# KiCad board LightRail_LPO_1.6T.kicad_pcb (continued)
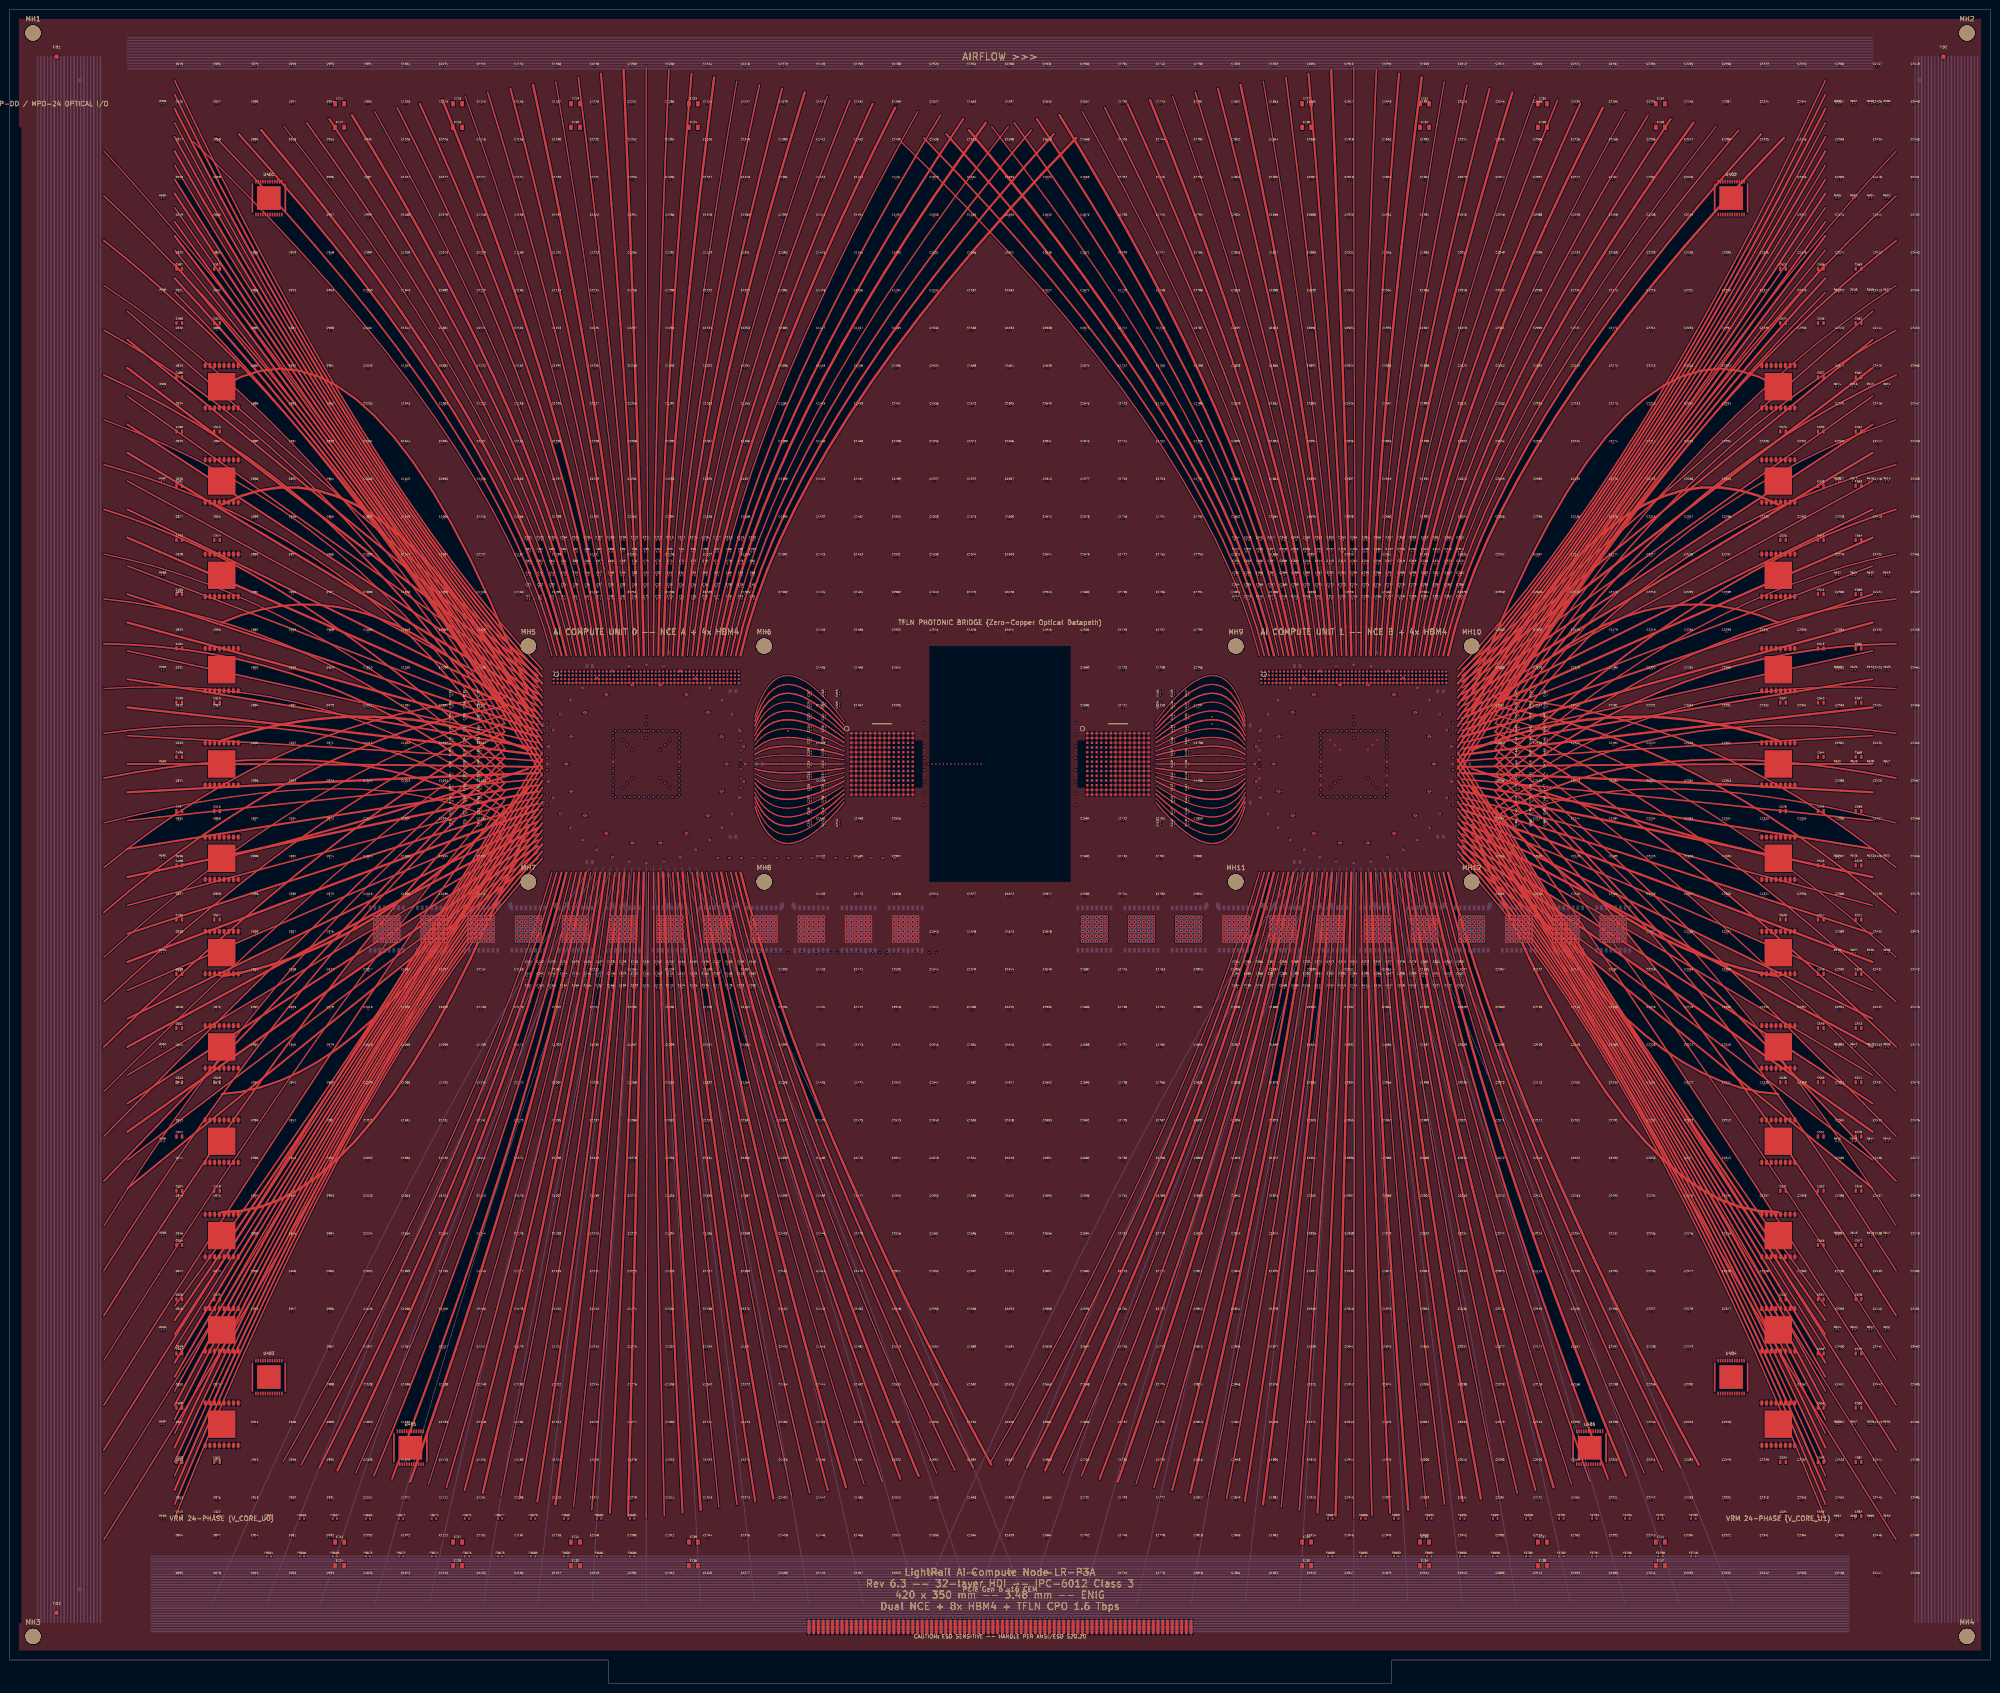
[diagram p0: board, top side]
## Routing (per net, layer and track width the routed paths; a pad name or vN(x,y) marks a point on that pad's centre or on a via; arc(x,y) is an arc through that point) (continued)
  Top w0.46: 308,196.94 312.09,197.45 316.36,197.98 320.81,198.53 325.44,199.09 330.25,199.66 335.23,200.26 340.4,200.86 345.75,201.48 351.28,202.12 356.98,202.77 362.87,203.44 368.94,204.12 375.18,204.82 381.61,205.53 388.21,206.26 395,207 ; 395,153 388.21,155.59 381.61,158.1 375.18,160.53 368.94,162.9 362.87,165.18 356.98,167.39 351.28,169.52 345.75,171.58 340.4,173.56 335.23,175.47 330.25,177.3 325.44,179.06 320.81,180.74 316.36,182.34 312.09,183.87 308,185.32 ; 112,193.06 107.91,192.92 103.64,192.77 99.19,192.6 94.56,192.41 89.75,192.21 84.77,191.99 79.6,191.76 74.25,191.52 68.72,191.25 63.02,190.98 57.13,190.69 51.06,190.38 44.82,190.06 38.39,189.72 31.79,189.37 25,189 ; 395,261 388.21,256.93 381.61,252.96 375.18,249.1 368.94,245.35 362.87,241.7 356.98,238.16 351.28,234.72 345.75,231.39 340.4,228.16 335.23,225.04 330.25,222.03 325.44,219.12 320.81,216.32 316.36,213.62 312.09,211.03 308,208.55 ; 308,204.68 312.09,206.51 316.36,208.41 320.81,210.39 325.44,212.44 330.25,214.57 335.23,216.78 340.4,219.06 345.75,221.42 351.28,223.85 356.98,226.36 362.87,228.94 368.94,231.61 375.18,234.34 381.61,237.15 388.21,240.04 395,243 ; 395,171 388.21,172.48 381.61,173.91 375.18,175.3 368.94,176.64 362.87,177.93 356.98,179.18 351.28,180.39 345.75,181.55 340.4,182.66 335.23,183.73 330.25,184.76 325.44,185.73 320.81,186.67 316.36,187.55 312.09,188.4 308,189.19 ; 25,117 31.79,121.81 38.39,126.48 44.82,131.01 51.06,135.41 57.13,139.67 63.02,143.8 68.72,147.79 74.25,151.65 79.6,155.36 84.77,158.95 89.75,162.39 94.56,165.7 99.19,168.88 103.64,171.91 107.91,174.81 112,177.58 ; 25,225 31.79,223.15 38.39,221.34 44.82,219.58 51.06,217.86 57.13,216.19 63.02,214.57 68.72,212.99 74.25,211.45 79.6,209.96 84.77,208.52 89.75,207.12 94.56,205.77 99.19,204.46 103.64,203.2 107.91,201.98 112,200.81 ; 308,181.45 312.09,179.34 316.36,177.13 320.81,174.81 325.44,172.38 330.25,169.85 335.23,167.21 340.4,164.46 345.75,161.61 351.28,158.66 356.98,155.59 362.87,152.43 368.94,149.15 375.18,145.77 381.61,142.29 388.21,138.7 395,135 ; 395,189 388.21,189.37 381.61,189.72 375.18,190.06 368.94,190.38 362.87,190.69 356.98,190.98 351.28,191.25 345.75,191.52 340.4,191.76 335.23,191.99 330.25,192.21 325.44,192.41 320.81,192.6 316.36,192.77 312.09,192.92 308,193.06 ; 112,189.19 107.91,188.4 103.64,187.55 99.19,186.67 94.56,185.73 89.75,184.76 84.77,183.73 79.6,182.66 74.25,181.55 68.72,180.39 63.02,179.18 57.13,177.93 51.06,176.64 44.82,175.3 38.39,173.91 31.79,172.48 25,171 ; 112,208.55 107.91,211.03 103.64,213.62 99.19,216.32 94.56,219.12 89.75,222.03 84.77,225.04 79.6,228.16 74.25,231.39 68.72,234.72 63.02,238.16 57.13,241.7 51.06,245.35 44.82,249.1 38.39,252.96 31.79,256.93 25,261 ; 25,279 31.79,273.82 38.39,268.77 44.82,263.86 51.06,259.09 57.13,254.45 63.02,249.95 68.72,245.58 74.25,241.36 79.6,237.26 84.77,233.3 89.75,229.48 94.56,225.8 99.19,222.25 103.64,218.84 107.91,215.56 112,212.42 ; 308,200.81 312.09,201.98 316.36,203.2 320.81,204.46 325.44,205.77 330.25,207.12 335.23,208.52 340.4,209.96 345.75,211.45 351.28,212.99 356.98,214.57 362.87,216.19 368.94,217.86 375.18,219.58 381.61,221.34 388.21,223.15 395,225 ; 25,207 31.79,206.26 38.39,205.53 44.82,204.82 51.06,204.12 57.13,203.44 63.02,202.77 68.72,202.12 74.25,201.48 79.6,200.86 84.77,200.26 89.75,199.66 94.56,199.09 99.19,198.53 103.64,197.98 107.91,197.45 112,196.94 ; 25,135 31.79,138.7 38.39,142.29 44.82,145.77 51.06,149.15 57.13,152.43 63.02,155.59 68.72,158.66 74.25,161.61 79.6,164.46 84.77,167.21 89.75,169.85 94.56,172.38 99.19,174.81 103.64,177.13 107.91,179.34 112,181.45 ; 395,117 388.21,121.81 381.61,126.48 375.18,131.01 368.94,135.41 362.87,139.67 356.98,143.8 351.28,147.79 345.75,151.65 340.4,155.36 335.23,158.95 330.25,162.39 325.44,165.7 320.81,168.88 316.36,171.91 312.09,174.81 308,177.58 ; 308,212.42 312.09,215.56 316.36,218.84 320.81,222.25 325.44,225.8 330.25,229.48 335.23,233.3 340.4,237.26 345.75,241.36 351.28,245.58 356.98,249.95 362.87,254.45 368.94,259.09 375.18,263.86 381.61,268.77 388.21,273.82 395,279 ; 25,153 31.79,155.59 38.39,158.1 44.82,160.53 51.06,162.9 57.13,165.18 63.02,167.39 68.72,169.52 74.25,171.58 79.6,173.56 84.77,175.47 89.75,177.3 94.56,179.06 99.19,180.74 103.64,182.34 107.91,183.87 112,185.32 ; 25,243 31.79,240.04 38.39,237.15 44.82,234.34 51.06,231.61 57.13,228.94 63.02,226.36 68.72,223.85 74.25,221.42 79.6,219.06 84.77,216.78 89.75,214.57 94.56,212.44 99.19,210.39 103.64,208.41 107.91,206.51 112,204.68
  Top w0.49: 265.75,38 267.04,48.13 268.28,58.03 269.46,67.69 270.6,77.12 271.69,86.32 272.73,95.28 273.72,104.01 274.66,112.5 275.55,120.76 276.39,128.78 277.18,136.57 277.92,144.12 278.61,151.44 279.25,158.53 279.84,165.38 280.38,172 ; 222.6,332.6 227.67,324.23 232.47,316.02 237.02,307.97 241.3,300.09 245.32,292.36 249.07,284.8 252.56,277.39 255.79,270.15 258.76,263.07 261.47,256.15 263.91,249.39 266.09,242.79 268,236.35 269.66,230.07 271.05,223.96 272.18,218 ; 192.75,44 188.9,53.41 185.21,62.62 181.68,71.66 178.32,80.5 175.13,89.16 172.1,97.62 169.24,105.91 166.54,114 164,121.91 161.64,129.62 159.43,137.16 157.4,144.5 155.52,151.66 153.82,158.62 152.27,165.41 150.9,172 ; 146.55,36.8 145.78,47.08 145.05,57.11 144.35,66.9 143.69,76.45 143.07,85.75 142.48,94.81 141.93,103.63 141.41,112.2 140.93,120.53 140.49,128.61 140.08,136.45 139.71,144.05 139.38,151.4 139.08,158.51 138.81,165.38 138.59,172 ; 357,331 351.16,322.82 345.62,314.8 340.4,306.92 335.49,299.19 330.9,291.61 326.61,284.17 322.64,276.89 318.97,269.75 315.62,262.76 312.58,255.92 309.86,249.23 307.44,242.69 305.34,236.29 303.55,230.05 302.07,223.95 300.9,218 ; 168.6,337.4 165.87,328.45 163.29,319.7 160.86,311.14 158.58,302.79 156.44,294.63 154.46,286.67 152.62,278.91 150.92,271.35 149.38,263.99 147.98,256.82 146.73,249.86 145.63,243.09 144.67,236.52 143.86,230.15 143.21,223.97 142.69,218 ; 284.49,218 284.34,223.99 284.18,230.22 284,236.69 283.81,243.39 283.6,250.32 283.38,257.5 283.13,264.9 282.87,272.55 282.6,280.43 282.3,288.55 281.99,296.9 281.67,305.49 281.33,314.31 280.97,323.37 280.59,332.67 280.2,342.2 ; 130.38,172 129.84,165.38 129.25,158.53 128.61,151.44 127.92,144.12 127.18,136.57 126.39,128.78 125.55,120.76 124.66,112.5 123.72,104.01 122.73,95.28 121.69,86.32 120.6,77.12 119.46,67.69 118.28,58.03 117.04,48.13 115.75,38 ; 327.35,41.6 324.52,51.3 321.82,60.79 319.24,70.07 316.78,79.15 314.44,88.02 312.23,96.69 310.13,105.15 308.16,113.4 306.31,121.45 304.59,129.29 302.98,136.92 301.5,144.35 300.14,151.57 298.9,158.59 297.79,165.4 296.8,172 ; 250.35,40.4 252.67,50.24 254.89,59.87 257.02,69.28 259.06,78.48 261,87.45 262.86,96.22 264.62,104.77 266.28,113.1 267.86,121.22 269.34,129.12 270.73,136.81 272.02,144.28 273.23,151.53 274.34,158.57 275.36,165.39 276.28,172 ; 126.28,218 125.48,223.97 124.5,230.12 123.34,236.46 122,242.99 120.47,249.7 118.77,256.6 116.89,263.68 114.82,270.95 112.58,278.4 110.15,286.05 107.54,293.87 104.75,301.89 101.79,310.09 98.64,318.47 95.31,327.04 91.8,335.8 ; 126.28,172 125.36,165.39 124.34,158.57 123.23,151.53 122.02,144.28 120.73,136.81 119.34,129.12 117.86,121.22 116.28,113.1 114.62,104.77 112.86,96.22 111,87.45 109.06,78.48 107.02,69.28 104.89,59.87 102.67,50.24 100.35,40.4 ; 292.69,172 293.3,165.39 293.99,158.55 294.76,151.49 295.61,144.2 296.53,136.69 297.54,128.95 298.62,120.99 299.79,112.8 301.03,104.39 302.35,95.75 303.75,86.89 305.23,77.8 306.79,68.49 308.43,58.95 310.15,49.19 311.95,39.2 ; 146.79,172 147.79,165.4 148.9,158.59 150.14,151.57 151.5,144.35 152.98,136.92 154.59,129.29 156.31,121.45 158.16,113.4 160.13,105.15 162.22,96.69 164.44,88.02 166.78,79.15 169.24,70.07 171.82,60.79 174.52,51.3 177.35,41.6 ; 134.49,218 134.34,223.99 134.18,230.22 134,236.69 133.81,243.39 133.6,250.32 133.38,257.5 133.13,264.9 132.87,272.55 132.6,280.43 132.3,288.55 131.99,296.9 131.67,305.49 131.33,314.31 130.97,323.37 130.59,332.67 130.2,342.2 ; 118.08,172 116.38,165.41 114.51,158.64 112.46,151.7 110.23,144.57 107.83,137.27 105.24,129.79 102.47,122.14 99.53,114.3 96.41,106.29 93.11,98.09 89.63,89.72 85.97,81.18 82.13,72.45 78.12,63.54 73.92,54.46 69.55,45.2 ; 318.6,337.4 315.87,328.45 313.3,319.7 310.86,311.14 308.58,302.79 306.44,294.63 304.46,286.67 302.62,278.91 300.92,271.35 299.38,263.99 297.98,256.82 296.73,249.86 295.63,243.09 294.67,236.52 293.86,230.15 293.2,223.97 292.69,218 ; 261,339 262.95,329.86 264.8,320.92 266.56,312.2 268.21,303.69 269.77,295.39 271.23,287.3 272.58,279.42 273.85,271.75 275.01,264.29 276.07,257.05 277.04,250.01 277.9,243.19 278.67,236.57 279.34,230.17 279.91,223.98 280.38,218 ; 226.2,327.8 218.8,320.01 211.79,312.35 205.17,304.81 198.95,297.39 193.12,290.09 187.69,282.92 182.65,275.87 178,268.95 173.75,262.15 169.89,255.47 166.42,248.92 163.35,242.49 160.67,236.18 158.39,230 156.5,223.94 155,218 ; 161.95,39.2 160.15,49.19 158.43,58.95 156.79,68.49 155.23,77.8 153.75,86.89 152.35,95.75 151.03,104.39 149.79,112.8 148.62,120.99 147.54,128.95 146.53,136.69 145.6,144.2 144.76,151.49 143.99,158.55 143.3,165.39 142.69,172 ; 296.55,36.8 295.78,47.08 295.05,57.11 294.35,66.9 293.69,76.45 293.07,85.75 292.48,94.81 291.93,103.63 291.41,112.2 290.93,120.53 290.49,128.61 290.08,136.45 289.71,144.05 289.38,151.4 289.08,158.51 288.81,165.38 288.59,172 ; 300.9,172 302.27,165.41 303.82,158.62 305.52,151.66 307.39,144.5 309.43,137.16 311.64,129.62 314,121.91 316.54,114 319.24,105.91 322.1,97.62 325.13,89.16 328.32,80.5 331.68,71.66 335.2,62.62 338.89,53.41 342.75,44 ; 149.4,340.6 148.23,331.26 147.13,322.15 146.09,313.25 145.12,304.59 144.22,296.14 143.38,287.92 142.61,279.92 141.9,272.15 141.25,264.6 140.68,257.27 140.16,250.17 139.72,243.29 139.34,236.63 139.02,230.2 138.77,223.99 138.59,218 ; 187.8,334.2 183.51,325.64 179.46,317.25 175.63,309.03 172.04,300.99 168.67,293.12 165.53,285.42 162.63,277.9 159.95,270.55 157.5,263.37 155.28,256.37 153.29,249.54 151.53,242.89 150,236.41 148.71,230.1 147.63,223.96 146.79,218 ; 203.4,329.4 210.03,321.42 216.31,313.57 222.25,305.86 227.84,298.29 233.09,290.85 238,283.55 242.56,276.38 246.77,269.35 250.64,262.45 254.16,255.7 257.35,249.07 260.18,242.59 262.67,236.24 264.82,230.02 266.62,223.94 268.08,218 ; 122.18,172 120.87,165.4 119.43,158.61 117.84,151.61 116.13,144.43 114.28,137.04 112.29,129.46 110.17,121.68 107.91,113.7 105.51,105.53 102.98,97.16 100.32,88.59 97.51,79.82 94.58,70.86 91.5,61.71 88.3,52.35 84.95,42.8 ; 281.15,35.6 281.41,46.02 281.66,56.19 281.91,66.11 282.15,75.77 282.38,85.19 282.6,94.34 282.82,103.25 283.03,111.9 283.24,120.3 283.44,128.44 283.63,136.34 283.81,143.97 283.99,151.36 284.16,158.49 284.33,165.37 284.49,172 ; 122.18,218 121.05,223.96 119.66,230.07 118,236.35 116.09,242.79 113.91,249.39 111.47,256.15 108.76,263.07 105.8,270.15 102.56,277.39 99.07,284.8 95.32,292.36 91.3,300.09 87.02,307.97 82.47,316.02 77.67,324.23 72.6,332.6 ; 241.8,335.8 245.31,327.04 248.64,318.47 251.79,310.09 254.75,301.89 257.54,293.87 260.15,286.05 262.57,278.4 264.82,270.95 266.88,263.68 268.77,256.6 270.47,249.7 272,242.99 273.34,236.46 274.5,230.12 275.48,223.97 276.28,218 ; 299.4,340.6 298.23,331.26 297.13,322.15 296.1,313.25 295.12,304.59 294.22,296.14 293.38,287.92 292.61,279.92 291.9,272.15 291.25,264.6 290.68,257.27 290.17,250.17 289.72,243.29 289.34,236.63 289.02,230.2 288.77,223.99 288.59,218 ; 268.08,172 266.38,165.41 264.51,158.64 262.46,151.7 260.23,144.57 257.83,137.27 255.24,129.79 252.47,122.14 249.53,114.3 246.41,106.29 243.11,98.09 239.63,89.72 235.97,81.18 232.13,72.45 228.12,63.54 223.92,54.46 219.55,45.2 ; 272.18,172 270.87,165.4 269.43,158.61 267.85,151.61 266.13,144.43 264.28,137.04 262.29,129.46 260.17,121.68 257.91,113.7 255.51,105.53 252.98,97.16 250.32,88.59 247.51,79.82 244.58,70.86 241.5,61.71 238.29,52.35 234.95,42.8 ; 337.8,334.2 333.51,325.64 329.46,317.25 325.63,309.03 322.04,300.99 318.67,293.12 315.53,285.42 312.63,277.9 309.95,270.55 307.5,263.37 305.28,256.37 303.29,249.54 301.54,242.89 300,236.41 298.7,230.1 297.63,223.96 296.8,218 ; 53.4,329.4 60.03,321.42 66.31,313.57 72.25,305.86 77.84,298.29 83.09,290.85 88,283.55 92.56,276.38 96.77,269.35 100.64,262.45 104.16,255.7 107.34,249.07 110.18,242.59 112.67,236.24 114.82,230.02 116.62,223.94 118.08,218 ; 131.15,35.6 131.41,46.02 131.66,56.19 131.91,66.11 132.15,75.77 132.38,85.19 132.6,94.34 132.82,103.25 133.03,111.9 133.24,120.3 133.44,128.44 133.63,136.34 133.81,143.97 133.99,151.36 134.16,158.49 134.33,165.37 134.49,172 ; 150.9,218 152.07,223.95 153.55,230.05 155.34,236.29 157.44,242.69 159.86,249.23 162.59,255.92 165.62,262.76 168.97,269.75 172.64,276.89 176.61,284.17 180.9,291.61 185.49,299.19 190.4,306.92 195.62,314.8 201.16,322.82 207,331 ; 305,218 306.5,223.94 308.39,230 310.67,236.18 313.35,242.49 316.42,248.92 319.89,255.47 323.75,262.15 328,268.95 332.65,275.87 337.69,282.92 343.12,290.09 348.95,297.39 355.17,304.81 361.79,312.35 368.8,320.01 376.2,327.8 ; 155,172 156.76,165.42 158.73,158.66 160.91,151.74 163.29,144.65 165.88,137.39 168.69,129.96 171.69,122.37 174.91,114.6 178.34,106.67 181.97,98.56 185.81,90.29 189.87,81.85 194.12,73.24 198.59,64.46 203.27,55.52 208.15,46.4 ; 130.38,218 129.91,223.98 129.34,230.17 128.67,236.57 127.9,243.19 127.04,250.01 126.07,257.05 125.01,264.29 123.85,271.75 122.58,279.42 121.23,287.3 119.77,295.39 118.21,303.69 116.56,312.2 114.8,320.92 112.95,329.86 111,339
  Top w0.5: 375,150 370.94,150.74 366.88,151.72 362.81,152.93 358.75,154.38 354.69,156.06 350.62,157.97 346.56,160.12 342.5,162.5 338.44,165.12 334.38,167.97 330.31,171.06 326.25,174.38 322.19,177.93 318.12,181.72 314.06,185.74 310,190 ; 45,250 49.06,251.82 53.12,253.03 57.19,253.63 61.25,253.62 65.31,253.01 69.38,251.78 73.44,249.94 77.5,247.5 81.56,244.44 85.62,240.78 89.69,236.51 93.75,231.62 97.81,226.13 101.88,220.03 105.94,213.32 110,206 ; 310,206 314.06,213.32 318.12,220.03 322.19,226.13 326.25,231.62 330.31,236.51 334.38,240.78 338.44,244.44 342.5,247.5 346.56,249.94 350.62,251.78 354.69,253.01 358.75,253.62 362.81,253.63 366.88,253.03 370.94,251.82 375,250 ; 375,200 370.94,201.28 366.88,202.38 362.81,203.28 358.75,204 354.69,204.53 350.62,204.88 346.56,205.03 342.5,205 338.44,204.78 334.38,204.38 330.31,203.78 326.25,203 322.19,202.03 318.12,200.88 314.06,199.53 310,198 ; 45,100 49.06,100.2 53.12,101.06 57.19,102.58 61.25,104.75 65.31,107.58 69.38,111.06 73.44,115.2 77.5,120 81.56,125.45 85.62,131.56 89.69,138.33 93.75,145.75 97.81,153.83 101.88,162.56 105.94,171.95 110,182 ; 310,182 314.06,171.95 318.12,162.56 322.19,153.83 326.25,145.75 330.31,138.33 334.38,131.56 338.44,125.45 342.5,120 346.56,115.2 350.62,111.06 354.69,107.58 358.75,104.75 362.81,102.58 366.88,101.06 370.94,100.2 375,100 ; 110,198 105.94,199.53 101.88,200.88 97.81,202.03 93.75,203 89.69,203.78 85.62,204.38 81.56,204.78 77.5,205 73.44,205.03 69.38,204.88 65.31,204.53 61.25,204 57.19,203.28 53.12,202.38 49.06,201.28 45,200 ; 110,190 105.94,185.74 101.88,181.72 97.81,177.93 93.75,174.38 89.69,171.06 85.62,167.97 81.56,165.12 77.5,162.5 73.44,160.12 69.38,157.97 65.31,156.06 61.25,154.38 57.19,152.93 53.12,151.72 49.06,150.74 45,150
  In1.Cu w0.1: 144,175.4 144,183.4 138.5,183.4 v2(138.5,188) ; v2(278.5,188) 278.5,185 264,185 264,177 ; v2(140.5,202) 140.5,205 150,205 150,213 ; 276,177 276,185 282.5,185 v2(282.5,188) ; 114,177 114,185 128.5,185 v2(128.5,188) ; v2(280.5,188) 280.5,183.4 270,183.4 270,175.4 ; 294,175.4 294,183.4 288.5,183.4 v2(288.5,188) ; 264,213 264,205 278.5,205 v2(278.5,202) ; v2(132.5,188) 132.5,185 126,185 126,177 ; v2(288.5,202) 288.5,206.6 294,206.6 294,214.6 ; v2(128.5,202) 128.5,205 114,205 114,213 ; v2(290.5,188) 290.5,185 300,185 300,177 ; v2(136.5,188) 136.5,185 138,185 138,177 ; 144,214.6 144,206.6 138.5,206.6 v2(138.5,202) ; 276,213 276,205 282.5,205 v2(282.5,202) ; 132,175.4 132,183.4 134.5,183.4 v2(134.5,188) ; v2(130.5,202) 130.5,206.6 120,206.6 120,214.6 ; 138,213 138,205 136.5,205 v2(136.5,202) ; 288,177 288,185 286.5,185 v2(286.5,188) ; v2(134.5,202) 134.5,206.6 132,206.6 132,214.6 ; v2(286.5,202) 286.5,205 288,205 288,213 ; 282,175.4 282,183.4 284.5,183.4 v2(284.5,188) ; v2(280.5,202) 280.5,206.6 270,206.6 270,214.6 ; v2(284.5,202) 284.5,206.6 282,206.6 282,214.6 ; 126,213 126,205 132.5,205 v2(132.5,202) ; v2(290.5,202) 290.5,205 300,205 300,213 ; v2(140.5,188) 140.5,185 150,185 150,177 ; v2(130.5,188) 130.5,183.4 120,183.4 120,175.4
  In2.Cu w0.1: 117,203.35 117.5,202.95 118.5,202.95 119.5,203.75 120.5,203.75 121.5,202.95 122.5,202.95 123.5,203.75 124.5,203.75 125,203.35 ; 135,215.4 135,207.4 135.5,207.4 v2(135.5,202) ; 297,215.4 297,207.4 289.5,207.4 v2(289.5,202) ; v2(137.5,202) 137.5,205.8 141,205.8 141,213.8 ; 291,176.2 291,184.2 287.5,184.2 v2(287.5,188) ; 129,213.8 129,205.8 133.5,205.8 v2(133.5,202) ; 141,176.2 141,184.2 137.5,184.2 v2(137.5,188) ; 291,213.8 291,205.8 287.5,205.8 v2(287.5,202) ; 155,200.5 154.5,201.1 153.5,201.1 152.5,199.9 151.5,199.9 150.5,201.1 149.5,201.1 148.5,199.9 147.5,199.9 147,200.5 ; 135,174.6 135,182.6 135.5,182.6 v2(135.5,188) ; 135,201.85 165,201.85 ; 117,205 117.5,204.7 118.5,204.7 119.5,205.3 120.5,205.3 121.5,204.7 122.5,204.7 123.5,205.3 124.5,205.3 125,205 ; v2(129.5,188) 129.5,184.2 117,184.2 117,176.2 ; v2(279.5,202) 279.5,205.8 267,205.8 267,213.8 ; v2(285.5,202) 285.5,207.4 285,207.4 285,215.4 ; v2(291.5,188) 291.5,184.2 303,184.2 303,176.2 ; v2(135,202) v2(165,202) ; 303,213.8 303,205.8 291.5,205.8 v2(291.5,202) ; 123,215.4 123,207.4 131.5,207.4 v2(131.5,202) ; v2(135,200.5) v2(165,200.5) ; 147,174.6 147,182.6 139.5,182.6 v2(139.5,188) ; v2(139.5,202) 139.5,207.4 147,207.4 147,215.4 ; 297,174.6 297,182.6 289.5,182.6 v2(289.5,188) ; v2(141.5,202) 141.5,205.8 153,205.8 153,213.8 ; 105,203.35 135,203.35 ; v2(155,202) 154.5,202.5 153.5,202.5 152.5,201.5 151.5,201.5 150.5,202.5 149.5,202.5 148.5,201.5 147.5,201.5 147,202 ; 279,176.2 279,184.2 283.5,184.2 v2(283.5,188) ; 273,215.4 273,207.4 281.5,207.4 v2(281.5,202) ; 147,200.35 147.5,199.75 148.5,199.75 149.5,200.95 150.5,200.95 151.5,199.75 152.5,199.75 153.5,200.95 154.5,200.95 155,200.35 ; 105,204.85 135,204.85 ; 125,203.5 124.5,203.9 123.5,203.9 122.5,203.1 121.5,203.1 120.5,203.9 119.5,203.9 118.5,203.1 117.5,203.1 117,203.5 ; 279,213.8 279,205.8 283.5,205.8 v2(283.5,202) ; 123,174.6 123,182.6 131.5,182.6 v2(131.5,188) ; v2(279.5,188) 279.5,184.2 267,184.2 267,176.2 ; 153,176.2 153,184.2 141.5,184.2 v2(141.5,188) ; v2(281.5,188) 281.5,182.6 273,182.6 273,174.6 ; 285,174.6 285,182.6 285.5,182.6 v2(285.5,188) ; 147,201.85 147.5,201.35 148.5,201.35 149.5,202.35 150.5,202.35 151.5,201.35 152.5,201.35 153.5,202.35 154.5,202.35 155,201.85 ; v2(129.5,202) 129.5,205.8 117,205.8 117,213.8 ; 135,200.35 165,200.35 ; 129,176.2 129,184.2 133.5,184.2 v2(133.5,188) ; 117,204.85 117.5,204.55 118.5,204.55 119.5,205.15 120.5,205.15 121.5,204.55 122.5,204.55 123.5,205.15 124.5,205.15 125,204.85 ; v2(105,205) v2(135,205) ; v2(105,203.5) v2(135,203.5)
  In3.Cu w0.09: 244,193.82 v2(265,193.82) ; 176,201.82 174.88,201.82 174.6,202.22 174.32,202.22 173.76,201.42 173.48,201.42 173.2,201.82 167.88,201.82 167.6,202.22 167.32,202.22 166.76,201.42 166.48,201.42 166.2,201.82 160.88,201.82 160.6,202.22 160.32,202.22 159.76,201.42 159.48,201.42 159.2,201.82 v2(155,201.82) ; v2(155,190) 159.2,190 159.48,189.6 159.76,189.6 160.32,190.4 160.6,190.4 160.88,190 166.2,190 166.48,189.6 166.76,189.6 167.32,190.4 167.6,190.4 167.88,190 173.2,190 173.48,189.6 173.76,189.6 174.32,190.4 174.6,190.4 174.88,190 176,190 ; v2(155,188) 159.2,188 159.48,187.5 159.76,187.5 160.32,188.5 160.6,188.5 160.88,188 166.2,188 166.48,187.5 166.76,187.5 167.32,188.5 167.6,188.5 167.88,188 173.2,188 173.48,187.5 173.76,187.5 174.32,188.5 174.6,188.5 174.88,188 176,188 ; 244,200 v2(265,200) ; v2(155,189.82) 159.2,189.82 159.48,189.42 159.76,189.42 160.32,190.22 160.6,190.22 160.88,189.82 166.2,189.82 166.48,189.42 166.76,189.42 167.32,190.22 167.6,190.22 167.88,189.82 173.2,189.82 173.48,189.42 173.76,189.42 174.32,190.22 174.6,190.22 174.88,189.82 176,189.82 ; v2(155,196) 159.2,196 159.48,195.6 159.76,195.6 160.32,196.4 160.6,196.4 160.88,196 166.2,196 166.48,195.6 166.76,195.6 167.32,196.4 167.6,196.4 167.88,196 173.2,196 173.48,195.6 173.76,195.6 174.32,196.4 174.6,196.4 174.88,196 176,196 ; v2(155,197.82) 159.2,197.82 159.48,197.22 159.76,197.22 160.32,198.42 160.6,198.42 160.88,197.82 166.2,197.82 166.48,197.22 166.76,197.22 167.32,198.42 167.6,198.42 167.88,197.82 173.2,197.82 173.48,197.22 173.76,197.22 174.32,198.42 174.6,198.42 174.88,197.82 176,197.82 ; v2(155,191.82) 159.2,191.82 159.48,191.22 159.76,191.22 160.32,192.42 160.6,192.42 160.88,191.82 166.2,191.82 166.48,191.22 166.76,191.22 167.32,192.42 167.6,192.42 167.88,191.82 173.2,191.82 173.48,191.22 173.76,191.22 174.32,192.42 174.6,192.42 174.88,191.82 176,191.82 ; v2(155,187.82) 159.2,187.82 159.48,187.32 159.76,187.32 160.32,188.32 160.6,188.32 160.88,187.82 166.2,187.82 166.48,187.32 166.76,187.32 167.32,188.32 167.6,188.32 167.88,187.82 173.2,187.82 173.48,187.32 173.76,187.32 174.32,188.32 174.6,188.32 174.88,187.82 176,187.82 ; 244,187.82 v2(265,187.82) ; v2(155,194) 159.2,194 159.48,193.5 159.76,193.5 160.32,194.5 160.6,194.5 160.88,194 166.2,194 166.48,193.5 166.76,193.5 167.32,194.5 167.6,194.5 167.88,194 173.2,194 173.48,193.5 173.76,193.5 174.32,194.5 174.6,194.5 174.88,194 176,194 ; 244,195.82 v2(265,195.82) ; v2(155,195.82) 159.2,195.82 159.48,195.42 159.76,195.42 160.32,196.22 160.6,196.22 160.88,195.82 166.2,195.82 166.48,195.42 166.76,195.42 167.32,196.22 167.6,196.22 167.88,195.82 173.2,195.82 173.48,195.42 173.76,195.42 174.32,196.22 174.6,196.22 174.88,195.82 176,195.82 ; 244,199.82 v2(265,199.82) ; 244,188 v2(265,188) ; 244,202 v2(265,202) ; v2(155,199.82) 159.2,199.82 159.48,199.32 159.76,199.32 160.32,200.32 160.6,200.32 160.88,199.82 166.2,199.82 166.48,199.32 166.76,199.32 167.32,200.32 167.6,200.32 167.88,199.82 173.2,199.82 173.48,199.32 173.76,199.32 174.32,200.32 174.6,200.32 174.88,199.82 176,199.82 ; v2(155,192) 159.2,192 159.48,191.4 159.76,191.4 160.32,192.6 160.6,192.6 160.88,192 166.2,192 166.48,191.4 166.76,191.4 167.32,192.6 167.6,192.6 167.88,192 173.2,192 173.48,191.4 173.76,191.4 174.32,192.6 174.6,192.6 174.88,192 176,192 ; 176,198 174.88,198 174.6,198.6 174.32,198.6 173.76,197.4 173.48,197.4 173.2,198 167.88,198 167.6,198.6 167.32,198.6 166.76,197.4 166.48,197.4 166.2,198 160.88,198 160.6,198.6 160.32,198.6 159.76,197.4 159.48,197.4 159.2,198 v2(155,198) ; 244,201.82 v2(265,201.82) ; 176,202 174.88,202 174.6,202.4 174.32,202.4 173.76,201.6 173.48,201.6 173.2,202 167.88,202 167.6,202.4 167.32,202.4 166.76,201.6 166.48,201.6 166.2,202 160.88,202 160.6,202.4 160.32,202.4 159.76,201.6 159.48,201.6 159.2,202 v2(155,202) ; v2(155,193.82) 159.2,193.82 159.48,193.32 159.76,193.32 160.32,194.32 160.6,194.32 160.88,193.82 166.2,193.82 166.48,193.32 166.76,193.32 167.32,194.32 167.6,194.32 167.88,193.82 173.2,193.82 173.48,193.32 173.76,193.32 174.32,194.32 174.6,194.32 174.88,193.82 176,193.82 ; 244,196 v2(265,196) ; 244,190 v2(265,190) ; v2(155,200) 159.2,200 159.48,199.5 159.76,199.5 160.32,200.5 160.6,200.5 160.88,200 166.2,200 166.48,199.5 166.76,199.5 167.32,200.5 167.6,200.5 167.88,200 173.2,200 173.48,199.5 173.76,199.5 174.32,200.5 174.6,200.5 174.88,200 176,200 ; 244,189.82 v2(265,189.82) ; 244,194 v2(265,194)
  In3.Cu w0.1: 275,204 275,197.5 v2(278,197.5) ; v2(128,193.5) 125,193.5 125,192 ; v2(142,197.5) 145,197.5 145,204 ; 273.4,186 273.4,191.5 v2(278,191.5) ; v2(278,201.5) 275,201.5 275,216 ; 295,204 295,197.5 v2(292,197.5) ; v2(142,199.5) 146.6,199.5 146.6,210 ; 145,192 145,193.5 v2(142,193.5) ; 145,216 145,201.5 v2(142,201.5) ; v2(292,189.5) 295,189.5 295,180 ; 145,180 145,189.5 v2(142,189.5) ; v2(128,189.5) 125,189.5 125,180 ; 273.4,210 273.4,199.5 v2(278,199.5) ; v2(128,199.5) 123.4,199.5 123.4,210 ; 146.6,186 146.6,191.5 v2(142,191.5) ; 275,180 275,189.5 v2(278,189.5) ; v2(278,193.5) 275,193.5 275,192 ; 295,192 295,193.5 v2(292,193.5) ; v2(128,191.5) 123.4,191.5 123.4,186 ; 125,204 125,197.5 v2(128,197.5) ; v2(292,191.5) 296.6,191.5 296.6,186 ; 125,216 125,201.5 v2(128,201.5) ; 296.6,210 296.6,199.5 v2(292,199.5) ; v2(292,201.5) 295,201.5 295,216
  In4.Cu w0.1: 124.2,213 124.2,200.5 v2(128,200.5) ; 122.6,183 122.6,190.5 v2(128,190.5) ; v2(292,196.5) 295.8,196.5 295.8,201 ; v2(142,196.5) 145.8,196.5 145.8,201 ; 274.2,213 274.2,200.5 v2(278,200.5) ; v2(142,200.5) 145.8,200.5 145.8,213 ; v2(292,194.5) 297.4,194.5 297.4,195 ; v2(142,198.5) 147.4,198.5 147.4,207 ; v2(278,194.5) 272.6,194.5 272.6,195 ; v2(128,188.5) 124.2,188.5 124.2,177 ; v2(278,188.5) 274.2,188.5 274.2,177 ; v2(128,198.5) 122.6,198.5 122.6,207 ; 295.8,213 295.8,200.5 v2(292,200.5) ; 274.2,201 274.2,196.5 v2(278,196.5) ; 145.8,189 145.8,192.5 v2(142,192.5) ; v2(128,194.5) 122.6,194.5 122.6,195 ; v2(278,198.5) 272.6,198.5 272.6,207 ; 147.4,195 147.4,194.5 v2(142,194.5) ; 124.2,201 124.2,196.5 v2(128,196.5) ; 145.8,177 145.8,188.5 v2(142,188.5) ; 297.4,207 297.4,198.5 v2(292,198.5) ; 295.8,177 295.8,188.5 v2(292,188.5) ; v2(142,190.5) 147.4,190.5 147.4,183 ; v2(128,192.5) 124.2,192.5 124.2,189